# Allegro board 8880F5-0827_txbegin.brd (continued)
## Routing (per net, layer and track width the routed paths; a pad name or vN(x,y) marks a point on that pad's centre or on a via; arc(x,y) is an arc through that point) (continued)
  L03_SIGNAL w0.074: 413.21,347.98 D110.B4 ; D110.B4 414.02,348.79 ; D110.B4 414.83,347.98 ; D110.B4 414.02,347.17 ; D102.A8 325.93,76.2 ; D102.A8 324.31,76.2 ; D102.A8 325.12,75.39 ; D102.A8 325.12,77.01 ; SITE3.G18 250.23,186.91 ; SITE3.G18 250.71,186.43 ; SITE3.G18 250.23,185.95 ; SITE3.G18 249.75,186.43 ; D115.B3 342.9,371.65 ; D115.B3 343.71,370.84 ; D115.B3 342.09,370.84 ; D115.B3 342.9,370.03 ; DPS3.A11 259.89,13.97 ; DPS3.A11 258.27,13.97 ; DPS3.A11 259.08,14.78 ; DPS3.A11 259.08,13.16 ; 172.72,372.57 D231.A12 ; D231.A12 172.72,374.19 ; D231.A12 173.53,373.38 ; D231.A12 171.91,373.38 ; D129.B4 93.98,102.41 ; D129.B4 94.79,101.6 ; D129.B4 93.98,100.79 ; D129.B4 93.17,101.6 ; 255.73,332.74 CSDPS225.B8 ; CSDPS225.B8 256.54,331.93 ; CSDPS225.B8 257.35,332.74 ; CSDPS225.B8 256.54,333.55 ; 332.74,67.87 D302.B11 ; D302.B11 333.45,68.58 ; D302.B11 332.03,68.58 ; D302.B11 332.74,69.29 ; 337.82,354.79 D114.A5 ; D114.A5 337.01,355.6 ; D114.A5 338.63,355.6 ; D114.A5 337.82,356.41 ; 339.55,81.28 D102.B14 ; D102.B14 340.36,80.47 ; D102.B14 340.36,82.09 ; D102.B14 341.17,81.28 ; 344.63,55.88 D103.A16 ; D103.A16 345.44,56.69 ; D103.A16 345.44,55.07 ; D103.A16 346.25,55.88 ; 164.39,68.58 D318.B3 ; D318.B3 165.81,68.58 ; D318.B3 165.1,69.29 ; D318.B3 165.1,67.87 ; 482.49,170.56 UNK4U2.4 ; UNK4U2.4 481.55,171.51 ; UNK4U2.4 482.49,172.45 ; UNK4U2.4 483.43,171.51 ; 17.78,93.17 D125.A3 ; D125.A3 17.78,94.79 ; D125.A3 16.97,93.98 ; D125.A3 18.59,93.98 ; 252.85,181.33 SITE3.G6 ; SITE3.G6 253.33,180.85 ; SITE3.G6 253.81,181.33 ; SITE3.G6 253.33,181.81 ; SITE1.G13 249.03,243.31 ; SITE1.G13 248.55,242.83 ; SITE1.G13 249.51,242.83 ; SITE1.G13 249.03,242.35 ; 241.3,85.65 D321.A4 ; D321.A4 240.59,86.36 ; D321.A4 242.01,86.36 ; D321.A4 241.3,87.07 ; 381,83.11 D305.A1 ; D305.A1 381.71,83.82 ; D305.A1 380.29,83.82 ; D305.A1 381,84.53 ; D321.B7 248.92,89.61 ; D321.B7 249.63,88.9 ; D321.B7 248.21,88.9 ; D321.B7 248.92,88.19 ; 312.42,57.61 D103.B3 ; D103.B3 313.23,58.42 ; D103.B3 311.61,58.42 ; D103.B3 312.42,59.23 ; D107.B11 407.21,58.42 ; D107.B11 405.59,58.42 ; D107.B11 406.4,59.23 ; D107.B11 406.4,57.61 ; D107.B13 411.48,59.23 ; D107.B13 412.29,58.42 ; D107.B13 410.67,58.42 ; D107.B13 411.48,57.61 ; D302.B16 346.15,71.12 ; D302.B16 345.44,71.83 ; D302.B16 345.44,70.41 ; D302.B16 344.73,71.12 ; 171.91,35.56 D120.A6 ; D120.A6 173.53,35.56 ; D120.A6 172.72,36.37 ; D120.A6 172.72,34.75 ; 251.43,242.35 SITE1.G15 ; SITE1.G15 251.91,242.83 ; SITE1.G15 251.43,243.31 ; SITE1.G15 250.95,242.83 ; D431.A5 191.31,386.08 ; D431.A5 190.5,385.27 ; D431.A5 190.5,386.89 ; D431.A5 189.69,386.08 ; 329.85,241.33 SITE2.G3 ; SITE2.G3 330.81,241.33 ; SITE2.G3 330.33,240.85 ; SITE2.G3 330.33,241.81 ; 164.29,386.08 D431.A15 ; D431.A15 165.1,385.27 ; D431.A15 165.91,386.08 ; D431.A15 165.1,386.89 ; D106.A8 399.59,76.2 ; D106.A8 397.97,76.2 ; D106.A8 398.78,77.01 ; D106.A8 398.78,75.39 ; CSDPS225.C11 249.73,330.2 ; CSDPS225.C11 248.92,329.39 ; CSDPS225.C11 248.11,330.2 ; CSDPS225.C11 248.92,331.01 ; 29.67,55.88 D127.A8 ; D127.A8 30.48,56.69 ; D127.A8 30.48,55.07 ; D127.A8 31.29,55.88 ; SITE1.G19 251.43,246.91 ; SITE1.G19 251.43,245.95 ; SITE1.G19 250.95,246.43 ; SITE1.G19 251.91,246.43 ; 307.34,67.87 D302.B1 ; D302.B1 308.05,68.58 ; D302.B1 306.63,68.58 ; D302.B1 307.34,69.29 ; D123.A16 272.59,55.88 ; D123.A16 270.97,55.88 ; D123.A16 271.78,55.07 ; D123.A16 271.78,56.69 ; D119.A3 165.91,53.34 ; D119.A3 165.1,54.15 ; D119.A3 164.29,53.34 ; D119.A3 165.1,52.53 ; D431.B13 170.99,381 ; D431.B13 170.18,381.81 ; D431.B13 169.37,381 ; D431.B13 170.18,380.19 ; D123.B1 233.68,59.23 ; D123.B1 234.49,58.42 ; D123.B1 232.87,58.42 ; D123.B1 233.68,57.61 ; D113.B5 338.63,330.2 ; D113.B5 337.01,330.2 ; D113.B5 337.82,329.39 ; D113.B5 337.82,331.01 ; D317.B1 160.73,88.9 ; D317.B1 159.31,88.9 ; D317.B1 160.02,89.61 ; D317.B1 160.02,88.19 ; 193.04,85.65 D317.A14 ; D317.A14 193.75,86.36 ; D317.A14 193.04,87.07 ; D317.A14 192.33,86.36 ; 232.87,38.1 D124.B1 ; D124.B1 233.68,38.91 ; D124.B1 234.49,38.1 ; D124.B1 233.68,37.29 ; D317.B12 188.67,91.44 ; D317.B12 187.96,92.15 ; D317.B12 187.25,91.44 ; D317.B12 187.96,90.73 ; D110.B8 404.67,347.98 ; D110.B8 403.86,348.79 ; D110.B8 403.05,347.98 ; D110.B8 403.86,347.17 ; 401.32,354.79 D110.A9 ; D110.A9 400.51,355.6 ; D110.A9 401.32,356.41 ; D110.A9 402.13,355.6 ; 119.38,60.15 D131.B14 ; D131.B14 119.38,61.77 ; D131.B14 118.57,60.96 ; D131.B14 120.19,60.96 ; 330.23,185.95 SITE4.G18 ; SITE4.G18 330.71,186.43 ; SITE4.G18 330.23,186.91 ; SITE4.G18 329.75,186.43 ; D431.B4 193.04,379.27 ; D431.B4 193.85,378.46 ; D431.B4 193.04,377.65 ; D431.B4 192.23,378.46 ; 252.63,245.95 SITE1.G20 ; SITE1.G20 252.15,246.43 ; SITE1.G20 252.63,246.91 ; SITE1.G20 253.11,246.43 ; 167.64,34.75 D120.A4 ; D120.A4 167.64,36.37 ; D120.A4 166.83,35.56 ; D120.A4 168.45,35.56 ; UNK3U1.4 98.23,161.85 ; UNK3U1.4 97.29,162.79 ; UNK3U1.4 96.35,161.85 ; UNK3U1.4 97.29,160.91 ; 109.22,55.07 D131.A10 ; D131.A10 110.03,55.88 ; D131.A10 108.41,55.88 ; D131.A10 109.22,56.69 ; 33.02,52.53 D127.A9 ; D127.A9 33.02,54.15 ; D127.A9 32.21,53.34 ; D127.A9 33.83,53.34 ; 383.54,39.83 D108.B2 ; D108.B2 384.35,40.64 ; D108.B2 382.73,40.64 ; D108.B2 383.54,41.45 ; D431.A8 182.88,384.35 ; D431.A8 183.69,383.54 ; D431.A8 182.88,382.73 ; D431.A8 182.07,383.54 ; D122.A13 264.16,74.47 ; D122.A13 264.97,73.66 ; D122.A13 263.35,73.66 ; D122.A13 264.16,72.85 ; 30.48,100.79 D125.B8 ; D125.B8 29.67,101.6 ; D125.B8 30.48,102.41 ; D125.B8 31.29,101.6 ; 22.86,52.53 D127.A5 ; D127.A5 22.86,54.15 ; D127.A5 22.05,53.34 ; D127.A5 23.67,53.34 ; D128.B10 35.56,41.45 ; D128.B10 34.75,40.64 ; D128.B10 35.56,39.83 ; D128.B10 36.37,40.64 ; 255.73,76.2 D122.A10 ; D122.A10 256.54,77.01 ; D122.A10 257.35,76.2 ; D122.A10 256.54,75.39 ; 175.26,88.19 D317.B7 ; D317.B7 175.26,89.61 ; D317.B7 175.97,88.9 ; D317.B7 174.55,88.9 ; D127.B12 41.45,60.96 ; D127.B12 39.83,60.96 ; D127.B12 40.64,60.15 ; D127.B12 40.64,61.77 ; D114.B11 323.39,350.52 ; D114.B11 321.77,350.52 ; D114.B11 322.58,349.71 ; D114.B11 322.58,351.33 ; D114.B5 337.82,351.33 ; D114.B5 337.01,350.52 ; D114.B5 338.63,350.52 ; D114.B5 337.82,349.71 ; D302.A7 322.58,64.21 ; D302.A7 322.58,62.79 ; D302.A7 323.29,63.5 ; D302.A7 321.87,63.5 ; 311.61,370.84 D115.B15 ; D115.B15 312.42,370.03 ; D115.B15 313.23,370.84 ; D115.B15 312.42,371.65 ; 248.85,187.93 SITE3.G8 ; SITE3.G8 249.81,187.93 ; SITE3.G8 249.33,187.45 ; SITE3.G8 249.33,188.41 ; 124.46,95.71 D129.A16 ; D129.A16 124.46,97.33 ; D129.A16 123.65,96.52 ; D129.A16 125.27,96.52 ; D106.B10 403.86,82.09 ; D106.B10 403.05,81.28 ; D106.B10 403.86,80.47 ; D106.B10 404.67,81.28 ; 266.7,342.09 CSDPS425.B4 ; CSDPS425.B4 265.89,342.9 ; CSDPS425.B4 267.51,342.9 ; CSDPS425.B4 266.7,343.71 ; 100.79,38.1 D132.B7 ; D132.B7 101.6,37.29 ; D132.B7 102.41,38.1 ; D132.B7 101.6,38.91 ; 247.85,187.93 SITE3.G7 ; SITE3.G7 248.33,188.41 ; SITE3.G7 248.81,187.93 ; SITE3.G7 248.33,187.45 ; D231.A3 195.58,376.73 ; D231.A3 194.77,375.92 ; D231.A3 195.58,375.11 ; D231.A3 196.39,375.92 ; D321.B5 244.55,88.9 ; D321.B5 243.13,88.9 ; D321.B5 243.84,89.61 ; D321.B5 243.84,88.19 ; D125.B6 26.21,101.6 ; D125.B6 25.4,100.79 ; D125.B6 25.4,102.41 ; D125.B6 24.59,101.6 ; 195.58,385.27 D431.A3 ; D431.A3 194.77,386.08 ; D431.A3 195.58,386.89 ; D431.A3 196.39,386.08 ; 88.9,100.79 D129.B2 ; D129.B2 88.09,101.6 ; D129.B2 88.9,102.41 ; D129.B2 89.71,101.6 ; SITE2.G20 333.11,246.43 ; SITE2.G20 332.63,245.95 ; SITE2.G20 332.15,246.43 ; SITE2.G20 332.63,246.91 ; SITE3.G5 252.33,181.81 ; SITE3.G5 251.85,181.33 ; SITE3.G5 252.33,180.85 ; SITE3.G5 252.81,181.33 ; D118.A4 168.45,76.2 ; D118.A4 167.64,77.01 ; D118.A4 166.83,76.2 ; D118.A4 167.64,75.39 ; D118.A8 177.8,77.01 ; D118.A8 176.99,76.2 ; D118.A8 177.8,75.39 ; D118.A8 178.61,76.2 ; 386.08,395.43 D112.A15 ; D112.A15 385.27,396.24 ; D112.A15 386.08,397.05 ; D112.A15 386.89,396.24 ; D108.A1 381.81,33.02 ; D108.A1 380.19,33.02 ; D108.A1 381,33.83 ; D108.A1 381,32.21 ; CSDPS225.B12 247.19,332.74 ; CSDPS225.B12 246.38,333.55 ; CSDPS225.B12 246.38,331.93 ; CSDPS225.B12 245.57,332.74 ; 111.76,77.93 D130.B11 ; D130.B11 110.95,78.74 ; D130.B11 112.57,78.74 ; D130.B11 111.76,79.55 ; 270.97,342.9 CSDPS425.B2 ; CSDPS425.B2 271.78,343.71 ; CSDPS425.B2 272.59,342.9 ; CSDPS425.B2 271.78,342.09 ; D124.B4 241.3,41.45 ; D124.B4 240.49,40.64 ; D124.B4 242.11,40.64 ; D124.B4 241.3,39.83 ; 235.41,342.9 CSDPS425.B16 ; CSDPS425.B16 237.03,342.9 ; CSDPS425.B16 236.22,342.09 ; CSDPS425.B16 236.22,343.71 ; D124.B14 266.7,41.45 ; D124.B14 267.51,40.64 ; D124.B14 265.89,40.64 ; D124.B14 266.7,39.83 ; D301.B6 320.04,92.15 ; D301.B6 319.33,91.44 ; D301.B6 320.75,91.44 ; D301.B6 320.04,90.73 ; D107.A8 399.59,55.88 ; D107.A8 398.78,56.69 ; D107.A8 398.78,55.07 ; D107.A8 397.97,55.88 ; D118.A13 190.5,74.47 ; D118.A13 191.31,73.66 ; D118.A13 190.5,72.85 ; D118.A13 189.69,73.66 ; D130.A13 116.84,74.47 ; D130.A13 117.65,73.66 ; D130.A13 116.03,73.66 ; D130.A13 116.84,72.85 ; 109.22,39.83 D132.B10 ; D132.B10 109.22,41.45 ; D132.B10 110.03,40.64 ; D132.B10 108.41,40.64 ; 237.95,33.02 D124.A3 ; D124.A3 238.76,32.21 ; D124.A3 239.57,33.02 ; D124.A3 238.76,33.83 ; 397.97,332.74 D109.A10 ; D109.A10 399.59,332.74 ; D109.A10 398.78,331.93 ; D109.A10 398.78,333.55 ; D113.B9 327.66,331.01 ; D113.B9 328.47,330.2 ; D113.B9 327.66,329.39 ; D113.B9 326.85,330.2 ; 199.85,410.21 DPS8.C01 ; DPS8.C01 200.66,411.02 ; DPS8.C01 200.66,409.4 ; DPS8.C01 201.47,410.21 ; D322.A16 272.49,66.04 ; D322.A16 271.78,66.75 ; D322.A16 271.78,65.33 ; D322.A16 271.07,66.04 ; D231.A16 163.37,373.38 ; D231.A16 162.56,372.57 ; D231.A16 162.56,374.19 ; D231.A16 161.75,373.38 ; D322.A7 248.92,64.21 ; D322.A7 248.21,63.5 ; D322.A7 249.63,63.5 ; D322.A7 248.92,62.79 ; SITE1.G14 250.71,242.83 ; SITE1.G14 249.75,242.83 ; SITE1.G14 250.23,243.31 ; SITE1.G14 250.23,242.35 ; D130.A7 101.6,74.47 ; D130.A7 102.41,73.66 ; D130.A7 101.6,72.85 ; D130.A7 100.79,73.66 ; D431.A13 170.99,386.08 ; D431.A13 170.18,386.89 ; D431.A13 169.37,386.08 ; D431.A13 170.18,385.27 ; 50.8,60.15 D127.B16 ; D127.B16 49.99,60.96 ; D127.B16 51.61,60.96 ; D127.B16 50.8,61.77 ; CSDPS429.C15 165.1,341.17 ; CSDPS429.C15 164.29,340.36 ; CSDPS429.C15 165.1,339.55 ; CSDPS429.C15 165.91,340.36 ; 180.34,339.55 CSDPS429.C9 ; CSDPS429.C9 181.15,340.36 ; CSDPS429.C9 179.53,340.36 ; CSDPS429.C9 180.34,341.17 ; CSDPS429.C3 195.58,341.17 ; CSDPS429.C3 195.58,339.55 ; CSDPS429.C3 196.39,340.36 ; CSDPS429.C3 194.77,340.36 ; 175.26,57.61 D119.B7 ; D119.B7 176.07,58.42 ; D119.B7 175.26,59.23 ; D119.B7 174.45,58.42 ; 309.88,70.41 D302.B2 ; D302.B2 309.17,71.12 ; D302.B2 310.59,71.12 ; D302.B2 309.88,71.83 ; 314.25,71.12 D302.B4 ; D302.B4 314.96,71.83 ; D302.B4 315.67,71.12 ; D302.B4 314.96,70.41 ; D132.A14 120.19,35.56 ; D132.A14 119.38,36.37 ; D132.A14 119.38,34.75 ; D132.A14 118.57,35.56 ; 241.3,75.39 D122.A4 ; D122.A4 242.11,76.2 ; D122.A4 240.49,76.2 ; D122.A4 241.3,77.01 ; D132.A13 116.84,33.83 ; D132.A13 117.65,33.02 ; D132.A13 116.03,33.02 ; D132.A13 116.84,32.21 ; 306.53,73.66 D102.A1 ; D102.A1 308.15,73.66 ; D102.A1 307.34,72.85 ; D102.A1 307.34,74.47 ; D130.B3 91.44,79.55 ; D130.B3 92.25,78.74 ; D130.B3 90.63,78.74 ; D130.B3 91.44,77.93 ; 22.86,93.17 D125.A5 ; D125.A5 22.86,94.79 ; D125.A5 23.67,93.98 ; D125.A5 22.05,93.98 ; 172.72,65.33 D318.A6 ; D318.A6 172.72,66.75 ; D318.A6 173.43,66.04 ; D318.A6 172.01,66.04 ; D322.B3 239.47,68.58 ; D322.B3 238.76,69.29 ; D322.B3 238.76,67.87 ; D322.B3 238.05,68.58 ; 101.6,52.53 D131.A7 ; D131.A7 100.79,53.34 ; D131.A7 101.6,54.15 ; D131.A7 102.41,53.34 ; 19.51,60.96 D127.B4 ; D127.B4 20.32,60.15 ; D127.B4 21.13,60.96 ; D127.B4 20.32,61.77 ; CSDPS229.C9 180.34,331.01 ; CSDPS229.C9 179.53,330.2 ; CSDPS229.C9 180.34,329.39 ; CSDPS229.C9 181.15,330.2 ; D107.A1 381,54.15 ; D107.A1 380.19,53.34 ; D107.A1 381,52.53 ; D107.A1 381.81,53.34 ; 332.74,329.39 D113.B7 ; D113.B7 331.93,330.2 ; D113.B7 332.74,331.01 ; D113.B7 333.55,330.2 ; D122.A15 270.05,73.66 ; D122.A15 268.43,73.66 ; D122.A15 269.24,72.85 ; D122.A15 269.24,74.47 ; 329.75,182.83 SITE4.G14 ; SITE4.G14 330.23,182.35 ; SITE4.G14 330.23,183.31 ; SITE4.G14 330.71,182.83 ; DPS3.C11 259.08,19.86 ; DPS3.C11 259.89,19.05 ; DPS3.C11 258.27,19.05 ; DPS3.C11 259.08,18.24 ; D305.B13 411.48,89.61 ; D305.B13 410.77,88.9 ; D305.B13 412.19,88.9 ; D305.B13 411.48,88.19 ; D128.A5 22.86,33.83 ; D128.A5 23.67,33.02 ; D128.A5 22.05,33.02 ; D128.A5 22.86,32.21 ; D301.A1 307.34,84.53 ; D301.A1 308.05,83.82 ; D301.A1 306.63,83.82 ; D301.A1 307.34,83.11 ; 309.88,60.15 D103.B2 ; D103.B2 309.88,61.77 ; D103.B2 310.69,60.96 ; D103.B2 309.07,60.96 ; 316.79,83.82 D301.A5 ; D301.A5 317.5,83.11 ; D301.A5 317.5,84.53 ; D301.A5 318.21,83.82 ; D114.B4 341.17,347.98 ; D114.B4 340.36,347.17 ; D114.B4 340.36,348.79 ; D114.B4 339.55,347.98 ; 113.49,55.88 D131.A12 ; D131.A12 114.3,56.69 ; D131.A12 115.11,55.88 ; D131.A12 114.3,55.07 ; 179.53,73.66 D118.A9 ; D118.A9 181.15,73.66 ; D118.A9 180.34,74.47 ; D118.A9 180.34,72.85 ; 162.56,367.49 D231.B16 ; D231.B16 161.75,368.3 ; D231.B16 163.37,368.3 ; D231.B16 162.56,369.11 ; D102.A15 342.9,74.47 ; D102.A15 342.09,73.66 ; D102.A15 342.9,72.85 ; D102.A15 343.71,73.66 ; 38.1,52.53 D127.A11 ; D127.A11 37.29,53.34 ; D127.A11 38.1,54.15 ; D127.A11 38.91,53.34 ; 317.5,329.39 D113.B13 ; D113.B13 316.69,330.2 ; D113.B13 318.31,330.2 ; D113.B13 317.5,331.01 ; 172.01,91.44 D317.B6 ; D317.B6 172.72,90.73 ; D317.B6 173.43,91.44 ; D317.B6 172.72,92.15 ; 179.63,63.5 D318.A9 ; D318.A9 181.05,63.5 ; D318.A9 180.34,62.79 ; D318.A9 180.34,64.21 ; D124.B3 239.57,38.1 ; D124.B3 238.76,37.29 ; D124.B3 237.95,38.1 ; D124.B3 238.76,38.91 ; D130.B15 121.92,79.55 ; D130.B15 122.73,78.74 ; D130.B15 121.92,77.93 ; D130.B15 121.11,78.74 ; 324.31,332.74 D113.A10 ; D113.A10 325.12,331.93 ; D113.A10 325.12,333.55 ; D113.A10 325.93,332.74 ; 383.54,326.85 D109.B16 ; D109.B16 382.73,327.66 ; D109.B16 383.54,328.47 ; D109.B16 384.35,327.66 ; 406.4,18.24 DPS1.C11 ; DPS1.C11 406.4,19.86 ; DPS1.C11 405.59,19.05 ; DPS1.C11 407.21,19.05 ; D130.A16 125.27,76.2 ; D130.A16 123.65,76.2 ; D130.A16 124.46,77.01 ; D130.A16 124.46,75.39 ; 330.2,372.57 D115.A8 ; D115.A8 331.01,373.38 ; D115.A8 330.2,374.19 ; D115.A8 329.39,373.38 ; 32.21,73.66 D126.A9 ; D126.A9 33.83,73.66 ; D126.A9 33.02,74.47 ; D126.A9 33.02,72.85 ; D120.B7 175.26,38.91 ; D120.B7 175.26,37.29 ; D120.B7 174.45,38.1 ; D120.B7 176.07,38.1 ; 189.69,58.42 D119.B13 ; D119.B13 190.5,59.23 ; D119.B13 191.31,58.42 ; D119.B13 190.5,57.61 ; D125.A1 12.7,94.79 ; D125.A1 11.89,93.98 ; D125.A1 13.51,93.98 ; D125.A1 12.7,93.17 ; SITE4.G12 333.81,187.93 ; SITE4.G12 333.33,188.41 ; SITE4.G12 332.85,187.93 ; SITE4.G12 333.33,187.45 ; D112.B11 396.24,391.97 ; D112.B11 397.05,391.16 ; D112.B11 396.24,390.35 ; D112.B11 395.43,391.16 ; 182.88,80.47 D118.B10 ; D118.B10 183.69,81.28 ; D118.B10 182.07,81.28 ; D118.B10 182.88,82.09 ; CSDPS225.B14 241.3,333.55 ; CSDPS225.B14 241.3,331.93 ; CSDPS225.B14 240.49,332.74 ; CSDPS225.B14 242.11,332.74 ; D318.A1 160.02,64.21 ; D318.A1 159.31,63.5 ; D318.A1 160.73,63.5 ; D318.A1 160.02,62.79 ; D124.B6 246.38,41.45 ; D124.B6 246.38,39.83 ; D124.B6 247.19,40.64 ; D124.B6 245.57,40.64 ; D301.B15 343.61,88.9 ; D301.B15 342.9,89.61 ; D301.B15 342.9,88.19 ; D301.B15 342.19,88.9 ; 314.96,80.47 D102.B4 ; D102.B4 315.77,81.28 ; D102.B4 314.15,81.28 ; D102.B4 314.96,82.09 ; 198.12,60.15 D119.B16 ; D119.B16 198.93,60.96 ; D119.B16 197.31,60.96 ; D119.B16 198.12,61.77 ; 331.93,355.6 D114.A7 ; D114.A7 332.74,356.41 ; D114.A7 332.74,354.79 ; D114.A7 333.55,355.6 ; D131.B16 124.46,61.77 ; D131.B16 124.46,60.15 ; D131.B16 125.27,60.96 ; D131.B16 123.65,60.96 ; 159.21,370.84 D231.B17 ; D231.B17 160.83,370.84 ; D231.B17 160.02,370.03 ; D231.B17 160.02,371.65 ; D112.B9 401.32,391.97 ; D112.B9 400.51,391.16 ; D112.B9 402.13,391.16 ; D112.B9 401.32,390.35 ; 329.39,81.28 D102.B10 ; D102.B10 331.01,81.28 ; D102.B10 330.2,80.47 ; D102.B10 330.2,82.09 ; 88.09,40.64 D132.B2 ; D132.B2 88.9,41.45 ; D132.B2 89.71,40.64 ; D132.B2 88.9,39.83 ; 260.81,60.96 D123.B12 ; D123.B12 261.62,61.77 ; D123.B12 262.43,60.96 ; D123.B12 261.62,60.15 ; 325.12,80.47 D102.B8 ; D102.B8 325.12,82.09 ; D102.B8 325.93,81.28 ; D102.B8 324.31,81.28 ; CSDPS429.B6 188.77,342.9 ; CSDPS429.B6 187.15,342.9 ; CSDPS429.B6 187.96,342.09 ; CSDPS429.B6 187.96,343.71 ; 401.32,375.11 D111.A9 ; D111.A9 402.13,375.92 ; D111.A9 400.51,375.92 ; D111.A9 401.32,376.73 ; 321.77,355.6 D114.A11 ; D114.A11 323.39,355.6 ; D114.A11 322.58,356.41 ; D114.A11 322.58,354.79 ; 24.59,96.52 D125.A6 ; D125.A6 25.4,95.71 ; D125.A6 26.21,96.52 ; D125.A6 25.4,97.33 ; D322.B10 257.25,71.12 ; D322.B10 255.83,71.12 ; D322.B10 256.54,70.41 ; D322.B10 256.54,71.83 ; 331.93,38.1 D104.B11 ; D104.B11 332.74,38.91 ; D104.B11 332.74,37.29 ; D104.B11 333.55,38.1 ; D302.A9 328.37,63.5 ; D302.A9 326.95,63.5 ; D302.A9 327.66,62.79 ; D302.A9 327.66,64.21 ; 307.34,88.19 D301.B1 ; D301.B1 308.05,88.9 ; D301.B1 307.34,89.61 ; D301.B1 306.63,88.9 ; 174.45,340.36 CSDPS429.C11 ; CSDPS429.C11 175.26,339.55 ; CSDPS429.C11 175.26,341.17 ; CSDPS429.C11 176.07,340.36 ; DPS1.A01 381.81,13.97 ; DPS1.A01 380.19,13.97 ; DPS1.A01 381,13.16 ; DPS1.A01 381,14.78 ; D322.B14 267.41,71.12 ; D322.B14 266.7,70.41 ; D322.B14 266.7,71.83 ; D322.B14 265.99,71.12 ; D126.A3 17.78,74.47 ; D126.A3 18.59,73.66 ; D126.A3 16.97,73.66 ; D126.A3 17.78,72.85 ; D107.A16 419.1,56.69 ; D107.A16 419.1,55.07 ; D107.A16 419.91,55.88 ; D107.A16 418.29,55.88 ; D301.A13 338.53,83.82 ; D301.A13 337.82,84.53 ; D301.A13 337.82,83.11 ; D301.A13 337.11,83.82 ; D317.B10 182.88,92.15 ; D317.B10 182.88,90.73 ; D317.B10 183.59,91.44 ; D317.B10 182.17,91.44 ; 334.47,60.96 D103.B12 ; D103.B12 336.09,60.96 ; D103.B12 335.28,61.77 ; D103.B12 335.28,60.15 ; D123.B13 264.97,58.42 ; D123.B13 264.16,59.23 ; D123.B13 263.35,58.42 ; D123.B13 264.16,57.61 ; D123.B6 247.19,60.96 ; D123.B6 246.38,60.15 ; D123.B6 246.38,61.77 ; D123.B6 245.57,60.96 ; D110.B13 391.16,351.33 ; D110.B13 391.97,350.52 ; D110.B13 391.16,349.71 ; D110.B13 390.35,350.52 ; 190.5,375.11 D231.A5 ; D231.A5 190.5,376.73 ; D231.A5 191.31,375.92 ; D231.A5 189.69,375.92 ; 329.33,187.45 SITE4.G8 ; SITE4.G8 329.33,188.41 ; SITE4.G8 329.81,187.93 ; SITE4.G8 328.85,187.93 ; 408.13,368.3 D111.B6 ; D111.B6 409.75,368.3 ; D111.B6 408.94,369.11 ; D111.B6 408.94,367.49 ; 251.46,342.09 CSDPS425.B10 ; CSDPS425.B10 250.65,342.9 ; CSDPS425.B10 252.27,342.9 ; CSDPS425.B10 251.46,343.71 ; D125.B7 27.94,99.87 ; D125.B7 27.13,99.06 ; D125.B7 28.75,99.06 ; D125.B7 27.94,98.25 ; 254,67.87 D322.B9 ; D322.B9 254,69.29 ; D322.B9 254.71,68.58 ; D322.B9 253.29,68.58 ; D113.B12 320.04,328.47 ; D113.B12 320.85,327.66 ; D113.B12 320.04,326.85 ; D113.B12 319.23,327.66 ; D122.B15 270.05,78.74 ; D122.B15 268.43,78.74 ; D122.B15 269.24,79.55 ; D122.B15 269.24,77.93 ; 314.96,34.75 D104.A4 ; D104.A4 315.77,35.56 ; D104.A4 314.96,36.37 ; D104.A4 314.15,35.56 ; D108.A3 386.08,33.83 ; D108.A3 386.08,32.21 ; D108.A3 385.27,33.02 ; D108.A3 386.89,33.02 ; 85.55,53.34 D131.A1 ; D131.A1 87.17,53.34 ; D131.A1 86.36,54.15 ; D131.A1 86.36,52.53 ; D104.A14 340.36,36.37 ; D104.A14 339.55,35.56 ; D104.A14 341.17,35.56 ; D104.A14 340.36,34.75 ; 179.53,370.84 D231.B9 ; D231.B9 180.34,371.65 ; D231.B9 180.34,370.03 ; D231.B9 181.15,370.84 ; 253.19,78.74 D122.B9 ; D122.B9 254.81,78.74 ; D122.B9 254,79.55 ; D122.B9 254,77.93 ; CSDPS229.B8 182.88,333.55 ; CSDPS229.B8 182.07,332.74 ; CSDPS229.B8 183.69,332.74 ; CSDPS229.B8 182.88,331.93 ; 11.89,99.06 D125.B1 ; D125.B1 12.7,99.87 ; D125.B1 12.7,98.25 ; D125.B1 13.51,99.06 ; 19.51,81.28 D126.B4 ; D126.B4 21.13,81.28 ; D126.B4 20.32,80.47 ; D126.B4 20.32,82.09 ; D120.A15 195.58,33.83 ; D120.A15 196.39,33.02 ; D120.A15 195.58,32.21 ; D120.A15 194.77,33.02 ; D305.B1 381.71,88.9 ; D305.B1 381,89.61 ; D305.B1 381,88.19 ; D305.B1 380.29,88.9 ; D118.B9 181.15,78.74 ; D118.B9 180.34,79.55 ; D118.B9 179.53,78.74 ; D118.B9 180.34,77.93 ; D114.A2 346.25,353.06 ; D114.A2 345.44,353.87 ; D114.A2 345.44,352.25 ; D114.A2 344.63,353.06 ; D431.B11 175.26,381.81 ; D431.B11 176.07,381 ; D431.B11 174.45,381 ; D431.B11 175.26,380.19 ; D123.A7 249.73,53.34 ; D123.A7 248.11,53.34 ; D123.A7 248.92,52.53 ; D123.A7 248.92,54.15 ; 167.64,372.57 D231.A14 ; D231.A14 167.64,374.19 ; D231.A14 168.45,373.38 ; D231.A14 166.83,373.38 ; D302.B8 325.12,71.83 ; D302.B8 325.83,71.12 ; D302.B8 324.41,71.12 ; D302.B8 325.12,70.41 ; D129.A1 87.17,93.98 ; D129.A1 85.55,93.98 ; D129.A1 86.36,93.17 ; D129.A1 86.36,94.79 ; D103.B15 342.9,59.23 ; D103.B15 342.09,58.42 ; D103.B15 342.9,57.61 ; D103.B15 343.71,58.42 ; D113.A15 312.42,336.09 ; D113.A15 312.42,334.47 ; D113.A15 313.23,335.28 ; D113.A15 311.61,335.28 ; D321.B16 271.78,92.15 ; D321.B16 271.78,90.73 ; D321.B16 271.07,91.44 ; D321.B16 272.49,91.44 ; D129.B10 110.03,101.6 ; D129.B10 108.41,101.6 ; D129.B10 109.22,100.79 ; D129.B10 109.22,102.41 ; 385.27,375.92 D111.A15 ; D111.A15 386.08,376.73 ; D111.A15 386.08,375.11 ; D111.A15 386.89,375.92 ; D126.B16 51.61,81.28 ; D126.B16 50.8,82.09 ; D126.B16 50.8,80.47 ; D126.B16 49.99,81.28 ; D128.B11 38.1,38.91 ; D128.B11 38.91,38.1 ; D128.B11 38.1,37.29 ; D128.B11 37.29,38.1 ; D104.A1 307.34,33.83 ; D104.A1 306.53,33.02 ; D104.A1 308.15,33.02 ; D104.A1 307.34,32.21 ; 246.38,80.47 D122.B6 ; D122.B6 246.38,82.09 ; D122.B6 245.57,81.28 ; D122.B6 247.19,81.28 ; 337.11,63.5 D302.A13 ; D302.A13 337.82,64.21 ; D302.A13 338.53,63.5 ; D302.A13 337.82,62.79 ; 403.86,55.07 D107.A10 ; D107.A10 403.86,56.69 ; D107.A10 404.67,55.88 ; D107.A10 403.05,55.88 ; 391.16,62.79 D306.A5 ; D306.A5 391.87,63.5 ; D306.A5 390.45,63.5 ; D306.A5 391.16,64.21 ; D123.B2 237.03,60.96 ; D123.B2 235.41,60.96 ; D123.B2 236.22,61.77 ; D123.B2 236.22,60.15 ; D130.A6 99.06,77.01 ; D130.A6 99.87,76.2 ; D130.A6 98.25,76.2 ; D130.A6 99.06,75.39 ; 329.33,240.85 SITE2.G2 ; SITE2.G2 329.81,241.33 ; SITE2.G2 328.85,241.33 ; SITE2.G2 329.33,241.81 ; 232.87,33.02 D124.A1 ; D124.A1 233.68,32.21 ; D124.A1 233.68,33.83 ; D124.A1 234.49,33.02 ; 266.7,65.33 D322.A14 ; D322.A14 266.7,66.75 ; D322.A14 265.99,66.04 ; D322.A14 267.41,66.04 ; D132.B8 104.95,40.64 ; D132.B8 104.14,39.83 ; D132.B8 103.33,40.64 ; D132.B8 104.14,41.45 ; SITE3.G9 250.33,188.41 ; SITE3.G9 249.85,187.93 ; SITE3.G9 250.81,187.93 ; SITE3.G9 250.33,187.45 ; D318.A13 190.5,64.21 ; D318.A13 191.21,63.5 ; D318.A13 190.5,62.79 ; D318.A13 189.79,63.5 ; 413.21,368.3 D111.B4 ; D111.B4 414.83,368.3 ; D111.B4 414.02,367.49 ; D111.B4 414.02,369.11 ; 268.53,63.5 D322.A15 ; D322.A15 269.24,64.21 ; D322.A15 269.24,62.79 ; D322.A15 269.95,63.5 ; D102.A14 341.17,76.2 ; D102.A14 339.55,76.2 ; D102.A14 340.36,75.39 ; D102.A14 340.36,77.01 ; 401.32,52.53 D107.A9 ; D107.A9 401.32,54.15 ; D107.A9 402.13,53.34 ; D107.A9 400.51,53.34 ; 161.75,378.46 D431.B16 ; D431.B16 163.37,378.46 ; D431.B16 162.56,379.27 ; D431.B16 162.56,377.65 ; DPS3.C15 269.24,19.86 ; DPS3.C15 270.05,19.05 ; DPS3.C15 269.24,18.24 ; DPS3.C15 268.43,19.05 ; D305.A5 391.16,84.53 ; D305.A5 391.87,83.82 ; D305.A5 390.45,83.82 ; D305.A5 391.16,83.11 ; 182.07,342.9 CSDPS429.B8 ; CSDPS429.B8 182.88,342.09 ; CSDPS429.B8 183.69,342.9 ; CSDPS429.B8 182.88,343.71 ; 195.58,329.39 CSDPS229.C3 ; CSDPS229.C3 194.77,330.2 ; CSDPS229.C3 196.39,330.2 ; CSDPS229.C3 195.58,331.01 ; 419.1,75.39 D106.A16 ; D106.A16 418.29,76.2 ; D106.A16 419.91,76.2 ; D106.A16 419.1,77.01 ; 387.91,71.12 D306.B4 ; D306.B4 388.62,70.41 ; D306.B4 389.33,71.12 ; D306.B4 388.62,71.83 ; SITE2.G14 330.23,243.31 ; SITE2.G14 330.23,242.35 ; SITE2.G14 329.75,242.83 ; SITE2.G14 330.71,242.83 ; 324.31,347.98 D114.B10 ; D114.B10 325.12,347.17 ; D114.B10 325.12,348.79 ; D114.B10 325.93,347.98 ; 342.09,33.02 D104.A15 ; D104.A15 343.71,33.02 ; D104.A15 342.9,32.21 ; D104.A15 342.9,33.83 ; 408.23,91.44 D305.B12 ; D305.B12 408.94,92.15 ; D305.B12 409.65,91.44 ; D305.B12 408.94,90.73 ; D106.B12 409.75,81.28 ; D106.B12 408.94,82.09 ; D106.B12 408.13,81.28 ; D106.B12 408.94,80.47 ; D306.B7 396.95,68.58 ; D306.B7 396.24,69.29 ; D306.B7 395.53,68.58 ; D306.B7 396.24,67.87 ; D112.A6 409.75,393.7 ; D112.A6 408.13,393.7 ; D112.A6 408.94,392.89 ; D112.A6 408.94,394.51 ; D110.B10 398.78,348.79 ; D110.B10 397.97,347.98 ; D110.B10 399.59,347.98 ; D110.B10 398.78,347.17 ; DPS3.A15 270.05,13.97 ; DPS3.A15 269.24,13.16 ; DPS3.A15 269.24,14.78 ; DPS3.A15 268.43,13.97 ; D110.B16 383.54,348.79 ; D110.B16 383.54,347.17 ; D110.B16 382.73,347.98 ; D110.B16 384.35,347.98 ; 27.94,32.21 D128.A7 ; D128.A7 27.94,33.83 ; D128.A7 28.75,33.02 ; D128.A7 27.13,33.02 ; D130.B13 117.65,78.74 ; D130.B13 116.03,78.74 ; D130.B13 116.84,79.55 ; D130.B13 116.84,77.93 ; D301.A3 313.13,83.82 ; D301.A3 312.42,84.53 ; D301.A3 311.71,83.82 ; D301.A3 312.42,83.11 ; 329.49,86.36 D301.A10 ; D301.A10 330.2,85.65 ; D301.A10 330.2,87.07 ; D301.A10 330.91,86.36 ; D321.A3 238.76,84.53 ; D321.A3 239.47,83.82 ; D321.A3 238.05,83.82 ; D321.A3 238.76,83.11 ; 264.16,339.55 CSDPS425.C5 ; CSDPS425.C5 264.97,340.36 ; CSDPS425.C5 263.35,340.36 ; CSDPS425.C5 264.16,341.17 ; D123.B5 244.65,58.42 ; D123.B5 243.84,59.23 ; D123.B5 243.03,58.42 ; D123.B5 243.84,57.61 ; 37.29,99.06 D125.B11 ; D125.B11 38.91,99.06 ; D125.B11 38.1,99.87 ; D125.B11 38.1,98.25 ; 328.33,247.45 SITE2.G7 ; SITE2.G7 327.85,247.93 ; SITE2.G7 328.33,248.41 ; SITE2.G7 328.81,247.93 ; SITE1.G5 252.81,241.33 ; SITE1.G5 252.33,241.81 ; SITE1.G5 252.33,240.85 ; SITE1.G5 251.85,241.33 ; D131.B5 97.33,58.42 ; D131.B5 96.52,59.23 ; D131.B5 96.52,57.61 ; D131.B5 95.71,58.42 ; 342.9,354.79 D114.A3 ; D114.A3 342.09,355.6 ; D114.A3 342.9,356.41 ; D114.A3 343.71,355.6 ; D122.A6 247.19,76.2 ; D122.A6 246.38,75.39 ; D122.A6 246.38,77.01 ; D122.A6 245.57,76.2 ; D108.A2 384.35,35.56 ; D108.A2 383.54,34.75 ; D108.A2 383.54,36.37 ; D108.A2 382.73,35.56 ; SITE2.G13 329.03,243.31 ; SITE2.G13 329.51,242.83 ; SITE2.G13 328.55,242.83 ; SITE2.G13 329.03,242.35 ; 314.96,331.93 D113.A14 ; D113.A14 315.77,332.74 ; D113.A14 314.96,333.55 ; D113.A14 314.15,332.74 ; 250.65,55.88 D123.A8 ; D123.A8 251.46,56.69 ; D123.A8 251.46,55.07 ; D123.A8 252.27,55.88 ; 106.68,72.85 D130.A9 ; D130.A9 105.87,73.66 ; D130.A9 107.49,73.66 ; D130.A9 106.68,74.47 ; 324.31,368.3 D115.B10 ; D115.B10 325.93,368.3 ; D115.B10 325.12,369.11 ; D115.B10 325.12,367.49 ; 39.83,96.52 D125.A12 ; D125.A12 41.45,96.52 ; D125.A12 40.64,97.33 ; D125.A12 40.64,95.71 ; 249.03,185.95 SITE3.G17 ; SITE3.G17 249.03,186.91 ; SITE3.G17 248.55,186.43 ; SITE3.G17 249.51,186.43 ; D119.B9 180.34,59.23 ; D119.B9 180.34,57.61 ; D119.B9 179.53,58.42 ; D119.B9 181.15,58.42 ; 44.91,81.28 D126.B14 ; D126.B14 45.72,82.09 ; D126.B14 45.72,80.47 ; D126.B14 46.53,81.28 ; 160.02,77.93 D118.B1 ; D118.B1 159.21,78.74 ; D118.B1 160.02,79.55 ; D118.B1 160.83,78.74 ; D318.B13 191.21,68.58 ; D318.B13 189.79,68.58 ; D318.B13 190.5,69.29 ; D318.B13 190.5,67.87 ; D113.B16 310.69,327.66 ; D113.B16 309.07,327.66 ; D113.B16 309.88,328.47 ; D113.B16 309.88,326.85 ; 200.66,385.27 D431.A1 ; D431.A1 201.47,386.08 ; D431.A1 200.66,386.89 ; D431.A1 199.85,386.08 ; SITE4.G20 333.11,186.43 ; SITE4.G20 332.15,186.43 ; SITE4.G20 332.63,186.91 ; SITE4.G20 332.63,185.95 ; 416.56,334.47 D109.A3 ; D109.A3 415.75,335.28 ; D109.A3 417.37,335.28 ; D109.A3 416.56,336.09 ; 34.75,81.28 D126.B10 ; D126.B10 35.56,82.09 ; D126.B10 35.56,80.47 ; D126.B10 36.37,81.28 ; 316.69,375.92 D115.A13 ; D115.A13 317.5,376.73 ; D115.A13 318.31,375.92 ; D115.A13 317.5,375.11 ; D131.A8 104.95,55.88 ; D131.A8 104.14,55.07 ; D131.A8 103.33,55.88 ; D131.A8 104.14,56.69 ; 11.89,53.34 D127.A1 ; D127.A1 13.51,53.34 ; D127.A1 12.7,54.15 ; D127.A1 12.7,52.53 ; 390.35,19.05 DPS1.C05 ; DPS1.C05 391.16,18.24 ; DPS1.C05 391.97,19.05 ; DPS1.C05 391.16,19.86 ; 406.4,13.16 DPS1.A11 ; DPS1.A11 405.59,13.97 ; DPS1.A11 406.4,14.78 ; DPS1.A11 407.21,13.97 ; 322.58,375.11 D115.A11 ; D115.A11 323.39,375.92 ; D115.A11 322.58,376.73 ; D115.A11 321.77,375.92 ; 314.96,39.83 D104.B4 ; D104.B4 314.96,41.45 ; D104.B4 315.77,40.64 ; D104.B4 314.15,40.64 ; 382.83,66.04 D306.A2 ; D306.A2 383.54,65.33 ; D306.A2 383.54,66.75 ; D306.A2 384.25,66.04 ; 390.35,370.84 D111.B13 ; D111.B13 391.16,371.65 ; D111.B13 391.16,370.03 ; D111.B13 391.97,370.84 ; D128.A1 13.51,33.02 ; D128.A1 12.7,33.83 ; D128.A1 12.7,32.21 ; D128.A1 11.89,33.02 ; D318.B16 198.12,71.83 ; D318.B16 197.41,71.12 ; D318.B16 198.12,70.41 ; D318.B16 198.83,71.12 ; D106.A1 381.81,73.66 ; D106.A1 381,74.47 ; D106.A1 380.19,73.66 ; D106.A1 381,72.85 ; 314.96,55.07 D103.A4 ; D103.A4 314.15,55.88 ; D103.A4 314.96,56.69 ; D103.A4 315.77,55.88 ; 416.56,67.87 D306.B15 ; D306.B15 416.56,69.29 ; D306.B15 417.27,68.58 ; D306.B15 415.85,68.58 ; D113.A7 333.55,335.28 ; D113.A7 331.93,335.28 ; D113.A7 332.74,334.47 ; D113.A7 332.74,336.09 ; D119.A16 198.93,55.88 ; D119.A16 197.31,55.88 ; D119.A16 198.12,55.07 ; D119.A16 198.12,56.69 ; 98.25,60.96 D131.B6 ; D131.B6 99.06,61.77 ; D131.B6 99.06,60.15 ; D131.B6 99.87,60.96 ; D115.A16 309.88,374.19 ; D115.A16 309.88,372.57 ; D115.A16 309.07,373.38 ; D115.A16 310.69,373.38 ; D130.A2 89.71,76.2 ; D130.A2 88.9,77.01 ; D130.A2 88.9,75.39 ; D130.A2 88.09,76.2 ; D115.B1 348.79,370.84 ; D115.B1 347.98,370.03 ; D115.B1 347.17,370.84 ; D115.B1 347.98,371.65 ; 96.46,175.46 UNK3U2.4 ; UNK3U2.4 97.4,176.4 ; UNK3U2.4 98.34,175.46 ; UNK3U2.4 97.4,174.52 ; D129.B8 104.95,101.6 ; D129.B8 104.14,100.79 ; D129.B8 104.14,102.41 ; D129.B8 103.33,101.6 ; D111.A14 389.43,373.38 ; D111.A14 387.81,373.38 ; D111.A14 388.62,372.57 ; D111.A14 388.62,374.19 ; 406.4,83.11 D305.A11 ; D305.A11 407.11,83.82 ; D305.A11 405.69,83.82 ; D305.A11 406.4,84.53 ; CSDPS229.B2 198.93,332.74 ; CSDPS229.B2 198.12,331.93 ; CSDPS229.B2 198.12,333.55 ; CSDPS229.B2 197.31,332.74 ; D317.B2 163.27,91.44 ; D317.B2 162.56,92.15 ; D317.B2 161.85,91.44 ; D317.B2 162.56,90.73 ; D108.B10 403.86,41.45 ; D108.B10 403.05,40.64 ; D108.B10 404.67,40.64 ; D108.B10 403.86,39.83 ; D231.A17 160.02,376.73 ; D231.A17 160.83,375.92 ; D231.A17 159.21,375.92 ; D231.A17 160.02,375.11 ; D109.B15 386.08,331.01 ; D109.B15 385.27,330.2 ; D109.B15 386.89,330.2 ; D109.B15 386.08,329.39 ; 314.96,392.89 D116.A14 ; D116.A14 314.15,393.7 ; D116.A14 314.96,394.51 ; D116.A14 315.77,393.7 ; D302.B14 340.36,71.83 ; D302.B14 339.65,71.12 ; D302.B14 341.07,71.12 ; D302.B14 340.36,70.41 ; 197.41,66.04 D318.A16 ; D318.A16 198.83,66.04 ; D318.A16 198.12,65.33 ; D318.A16 198.12,66.75 ; D115.B12 320.85,368.3 ; D115.B12 320.04,367.49 ; D115.B12 319.23,368.3 ; D115.B12 320.04,369.11 ; 311.61,53.34 D103.A3 ; D103.A3 313.23,53.34 ; D103.A3 312.42,54.15 ; D103.A3 312.42,52.53 ; D129.A4 94.79,96.52 ; D129.A4 93.98,95.71 ; D129.A4 93.98,97.33 ; D129.A4 93.17,96.52 ; 396.24,72.85 D106.A7 ; D106.A7 396.24,74.47 ; D106.A7 395.43,73.66 ; D106.A7 397.05,73.66 ; 383.54,70.41 D306.B2 ; D306.B2 383.54,71.83 ; D306.B2 382.83,71.12 ; D306.B2 384.25,71.12 ; SITE2.G19 331.43,246.91 ; SITE2.G19 331.91,246.43 ; SITE2.G19 330.95,246.43 ; SITE2.G19 331.43,245.95 ; 161.75,81.28 D118.B2 ; D118.B2 162.56,80.47 ; D118.B2 163.37,81.28 ; D118.B2 162.56,82.09 ; 401.32,88.19 D305.B9 ; D305.B9 401.32,89.61 ; D305.B9 402.03,88.9 ; D305.B9 400.61,88.9 ; 260.81,40.64 D124.B12 ; D124.B12 262.43,40.64 ; D124.B12 261.62,41.45 ; D124.B12 261.62,39.83 ; D322.B4 242.01,71.12 ; D322.B4 240.59,71.12 ; D322.B4 241.3,70.41 ; D322.B4 241.3,71.83 ; D112.B8 404.67,388.62 ; D112.B8 403.86,387.81 ; D112.B8 403.05,388.62 ; D112.B8 403.86,389.43 ; D115.B5 338.63,370.84 ; D115.B5 337.01,370.84 ; D115.B5 337.82,370.03 ; D115.B5 337.82,371.65 ; D124.B16 271.78,41.45 ; D124.B16 272.59,40.64 ; D124.B16 270.97,40.64 ; D124.B16 271.78,39.83 ; D318.B1 160.02,69.29 ; D318.B1 160.73,68.58 ; D318.B1 159.31,68.58 ; D318.B1 160.02,67.87 ; CSDPS225.C1 275.13,330.2 ; CSDPS225.C1 274.32,329.39 ; CSDPS225.C1 273.51,330.2 ; CSDPS225.C1 274.32,331.01 ; D126.A8 30.48,77.01 ; D126.A8 29.67,76.2 ; D126.A8 30.48,75.39 ; D126.A8 31.29,76.2 ; 110.95,33.02 D132.A11 ; D132.A11 112.57,33.02 ; D132.A11 111.76,33.83 ; D132.A11 111.76,32.21 ; D129.A11 111.76,94.79 ; D129.A11 111.76,93.17 ; D129.A11 112.57,93.98 ; D129.A11 110.95,93.98 ; DPS3.A01 233.68,14.78 ; DPS3.A01 232.87,13.97 ; DPS3.A01 234.49,13.97 ; DPS3.A01 233.68,13.16 ; 123.65,35.56 D132.A16 ; D132.A16 124.46,36.37 ; D132.A16 125.27,35.56 ; D132.A16 124.46,34.75 ; 327.66,390.35 D116.B9 ; D116.B9 328.47,391.16 ; D116.B9 327.66,391.97 ; D116.B9 326.85,391.16 ; D106.A5 391.97,73.66 ; D106.A5 391.16,74.47 ; D106.A5 391.16,72.85 ; D106.A5 390.35,73.66 ; D110.A10 398.78,353.87 ; D110.A10 397.97,353.06 ; D110.A10 398.78,352.25 ; D110.A10 399.59,353.06 ; 388.62,55.07 D107.A4 ; D107.A4 387.81,55.88 ; D107.A4 389.43,55.88 ; D107.A4 388.62,56.69 ; 159.21,381 D431.B17 ; D431.B17 160.83,381 ; D431.B17 160.02,381.81 ; D431.B17 160.02,380.19 ; 345.44,372.57 D115.A2 ; D115.A2 346.25,373.38 ; D115.A2 345.44,374.19 ; D115.A2 344.63,373.38 ; D131.B4 94.79,60.96 ; D131.B4 93.98,61.77 ; D131.B4 93.17,60.96 ; D131.B4 93.98,60.15 ; D322.B13 264.87,68.58 ; D322.B13 263.45,68.58 ; D322.B13 264.16,69.29 ; D322.B13 264.16,67.87 ; 20.32,95.71 D125.A4 ; D125.A4 19.51,96.52 ; D125.A4 20.32,97.33 ; D125.A4 21.13,96.52 ; D124.B8 251.46,41.45 ; D124.B8 252.27,40.64 ; D124.B8 250.65,40.64 ; D124.B8 251.46,39.83 ; 317.5,57.61 D103.B5 ; D103.B5 318.31,58.42 ; D103.B5 316.69,58.42 ; D103.B5 317.5,59.23 ; 184.61,330.2 CSDPS229.C7 ; CSDPS229.C7 185.42,331.01 ; CSDPS229.C7 186.23,330.2 ; CSDPS229.C7 185.42,329.39 ; D112.B4 414.02,389.43 ; D112.B4 414.83,388.62 ; D112.B4 414.02,387.81 ; D112.B4 413.21,388.62 ; D113.A2 346.25,332.74 ; D113.A2 345.44,331.93 ; D113.A2 344.63,332.74 ; D113.A2 345.44,333.55 ; 187.15,35.56 D120.A12 ; D120.A12 188.77,35.56 ; D120.A12 187.96,34.75 ; D120.A12 187.96,36.37 ; SITE3.G19 251.43,186.91 ; SITE3.G19 251.91,186.43 ; SITE3.G19 251.43,185.95 ; SITE3.G19 250.95,186.43 ; D322.A12 261.62,66.75 ; D322.A12 260.91,66.04 ; D322.A12 262.33,66.04 ; D322.A12 261.62,65.33 ; D431.B5 190.5,381.81 ; D431.B5 191.31,381 ; D431.B5 189.69,381 ; D431.B5 190.5,380.19 ; D103.B16 345.44,61.77 ; D103.B16 344.63,60.96 ; D103.B16 346.25,60.96 ; D103.B16 345.44,60.15 ; 342.09,335.28 D113.A3 ; D113.A3 342.9,334.47 ; D113.A3 343.71,335.28 ; D113.A3 342.9,336.09 ; 335.28,85.65 D301.A12 ; D301.A12 334.57,86.36 ; D301.A12 335.99,86.36 ; D301.A12 335.28,87.07 ; D130.B12 114.3,82.09 ; D130.B12 113.49,81.28 ; D130.B12 114.3,80.47 ; D130.B12 115.11,81.28 ; 42.37,53.34 D127.A13 ; D127.A13 43.99,53.34 ; D127.A13 43.18,54.15 ; D127.A13 43.18,52.53 ; D120.A11 186.23,33.02 ; D120.A11 185.42,33.83 ; D120.A11 185.42,32.21 ; D120.A11 184.61,33.02 ; 101.6,77.93 D130.B7 ; D130.B7 102.41,78.74 ; D130.B7 101.6,79.55 ; D130.B7 100.79,78.74 ; D321.B10 256.54,92.15 ; D321.B10 256.54,90.73 ; D321.B10 257.25,91.44 ; D321.B10 255.83,91.44 ; D123.A9 254,54.15 ; D123.A9 254.81,53.34 ; D123.A9 254,52.53 ; D123.A9 253.19,53.34 ; DPS3.A05 243.84,14.78 ; DPS3.A05 243.03,13.97 ; DPS3.A05 243.84,13.16 ; DPS3.A05 244.65,13.97 ; 166.93,66.04 D318.A4 ; D318.A4 167.64,65.33 ; D318.A4 167.64,66.75 ; D318.A4 168.35,66.04 ; 164.39,88.9 D317.B3 ; D317.B3 165.1,88.19 ; D317.B3 165.81,88.9 ; D317.B3 165.1,89.61 ; D124.B9 254,38.91 ; D124.B9 254.81,38.1 ; D124.B9 253.19,38.1 ; D124.B9 254,37.29 ; D102.B1 308.15,78.74 ; D102.B1 306.53,78.74 ; D102.B1 307.34,77.93 ; D102.B1 307.34,79.55 ; 329.49,66.04 D302.A10 ; D302.A10 330.2,66.75 ; D302.A10 330.91,66.04 ; D302.A10 330.2,65.33 ; 48.26,52.53 D127.A15 ; D127.A15 48.26,54.15 ; D127.A15 49.07,53.34 ; D127.A15 47.45,53.34 ; D115.A15 313.23,375.92 ; D115.A15 311.61,375.92 ; D115.A15 312.42,376.73 ; D115.A15 312.42,375.11 ; D112.A12 394.51,393.7 ; D112.A12 393.7,392.89 ; D112.A12 393.7,394.51 ; D112.A12 392.89,393.7 ; D111.B5 411.48,371.65 ; D111.B5 411.48,370.03 ; D111.B5 410.67,370.84 ; D111.B5 412.29,370.84 ; D231.B4 193.85,368.3 ; D231.B4 193.04,367.49 ; D231.B4 193.04,369.11 ; D231.B4 192.23,368.3 ; 268.53,83.82 D321.A15 ; D321.A15 269.24,84.53 ; D321.A15 269.24,83.11 ; D321.A15 269.95,83.82 ; CSDPS225.B10 252.27,332.74 ; CSDPS225.B10 250.65,332.74 ; CSDPS225.B10 251.46,333.55 ; CSDPS225.B10 251.46,331.93 ; D306.A8 398.78,66.75 ; D306.A8 398.78,65.33 ; D306.A8 399.49,66.04 ; D306.A8 398.07,66.04 ; D305.A10 404.57,86.36 ; D305.A10 403.86,85.65 ; D305.A10 403.86,87.07 ; D305.A10 403.15,86.36 ; 393.7,372.57 D111.A12 ; D111.A12 394.51,373.38 ; D111.A12 392.89,373.38 ; D111.A12 393.7,374.19 ; 106.68,77.93 D130.B9 ; D130.B9 107.49,78.74 ; D130.B9 105.87,78.74 ; D130.B9 106.68,79.55 ; 418.29,353.06 D110.A2 ; D110.A2 419.1,353.87 ; D110.A2 419.91,353.06 ; D110.A2 419.1,352.25 ; 177.09,71.12 D318.B8 ; D318.B8 177.8,71.83 ; D318.B8 178.51,71.12 ; D318.B8 177.8,70.41 ; 50.8,55.07 D127.A16 ; D127.A16 50.8,56.69 ; D127.A16 51.61,55.88 ; D127.A16 49.99,55.88 ; D128.B14 46.53,40.64 ; D128.B14 45.72,39.83 ; D128.B14 44.91,40.64 ; D128.B14 45.72,41.45 ; 255.73,55.88 D123.A10 ; D123.A10 257.35,55.88 ; D123.A10 256.54,56.69 ; D123.A10 256.54,55.07 ; 111.76,57.61 D131.B11 ; D131.B11 112.57,58.42 ; D131.B11 110.95,58.42 ; D131.B11 111.76,59.23 ; D128.B15 48.26,38.91 ; D128.B15 49.07,38.1 ; D128.B15 47.45,38.1 ; D128.B15 48.26,37.29 ; D132.A7 101.6,33.83 ; D132.A7 100.79,33.02 ; D132.A7 102.41,33.02 ; D132.A7 101.6,32.21 ; 403.86,75.39 D106.A10 ; D106.A10 403.05,76.2 ; D106.A10 404.67,76.2 ; D106.A10 403.86,77.01 ; 251.85,247.93 SITE1.G11 ; SITE1.G11 252.81,247.93 ; SITE1.G11 252.33,248.41 ; SITE1.G11 252.33,247.45 ; 14.43,35.56 D128.A2 ; D128.A2 15.24,36.37 ; D128.A2 16.05,35.56 ; D128.A2 15.24,34.75 ; D114.B3 342.9,351.33 ; D114.B3 342.09,350.52 ; D114.B3 343.71,350.52 ; D114.B3 342.9,349.71 ; D321.B15 269.24,89.61 ; D321.B15 268.53,88.9 ; D321.B15 269.24,88.19 ; D321.B15 269.95,88.9 ; D119.A11 185.42,54.15 ; D119.A11 185.42,52.53 ; D119.A11 186.23,53.34 ; D119.A11 184.61,53.34 ; D122.B11 259.89,78.74 ; D122.B11 258.27,78.74 ; D122.B11 259.08,77.93 ; D122.B11 259.08,79.55 ; D125.B2 16.05,101.6 ; D125.B2 15.24,102.41 ; D125.B2 15.24,100.79 ; D125.B2 14.43,101.6 ; D127.A10 36.37,55.88 ; D127.A10 35.56,55.07 ; D127.A10 34.75,55.88 ; D127.A10 35.56,56.69 ; D431.B14 167.64,379.27 ; D431.B14 168.45,378.46 ; D431.B14 167.64,377.65 ; D431.B14 166.83,378.46 ; D231.A7 186.23,375.92 ; D231.A7 184.61,375.92 ; D231.A7 185.42,375.11 ; D231.A7 185.42,376.73 ; 344.63,393.7 D116.A2 ; D116.A2 345.44,394.51 ; D116.A2 346.25,393.7 ; D116.A2 345.44,392.89 ; 321.77,33.02 D104.A7 ; D104.A7 322.58,33.83 ; D104.A7 323.39,33.02 ; D104.A7 322.58,32.21 ; 317.5,77.93 D102.B5 ; D102.B5 318.31,78.74 ; D102.B5 316.69,78.74 ; D102.B5 317.5,79.55 ; 331.93,58.42 D103.B11 ; D103.B11 333.55,58.42 ; D103.B11 332.74,59.23 ; D103.B11 332.74,57.61 ; 319.33,66.04 D302.A6 ; D302.A6 320.75,66.04 ; D302.A6 320.04,66.75 ; D302.A6 320.04,65.33 ; DPS1.A05 391.97,13.97 ; DPS1.A05 390.35,13.97 ; DPS1.A05 391.16,13.16 ; DPS1.A05 391.16,14.78 ; D306.B1 381,69.29 ; D306.B1 380.29,68.58 ; D306.B1 381,67.87 ; D306.B1 381.71,68.58 ; D114.B6 335.28,348.79 ; D114.B6 335.28,347.17 ; D114.B6 334.47,347.98 ; D114.B6 336.09,347.98 ; 162.56,70.41 D318.B2 ; D318.B2 162.56,71.83 ; D318.B2 163.27,71.12 ; D318.B2 161.85,71.12 ; 329.49,91.44 D301.B10 ; D301.B10 330.2,92.15 ; D301.B10 330.91,91.44 ; D301.B10 330.2,90.73 ; 333.33,180.85 SITE4.G6 ; SITE4.G6 333.33,181.81 ; SITE4.G6 333.81,181.33 ; SITE4.G6 332.85,181.33 ; 386.08,52.53 D107.A3 ; D107.A3 385.27,53.34 ; D107.A3 386.89,53.34 ; D107.A3 386.08,54.15 ; 411.48,390.35 D112.B5 ; D112.B5 410.67,391.16 ; D112.B5 411.48,391.97 ; D112.B5 412.29,391.16 ; D111.A10 399.59,373.38 ; D111.A10 398.78,374.19 ; D111.A10 398.78,372.57 ; D111.A10 397.97,373.38 ; 322.58,52.53 D103.A7 ; D103.A7 321.77,53.34 ; D103.A7 322.58,54.15 ; D103.A7 323.39,53.34 ; D318.A3 165.81,63.5 ; D318.A3 165.1,62.79 ; D318.A3 165.1,64.21 ; D318.A3 164.39,63.5 ; 172.72,331.93 CSDPS229.B12 ; CSDPS229.B12 171.91,332.74 ; CSDPS229.B12 173.53,332.74 ; CSDPS229.B12 172.72,333.55 ; 118.57,76.2 D130.A14 ; D130.A14 119.38,77.01 ; D130.A14 120.19,76.2 ; D130.A14 119.38,75.39 ; D128.B3 18.59,38.1 ; D128.B3 17.78,37.29 ; D128.B3 16.97,38.1 ; D128.B3 17.78,38.91 ; D301.A16 345.44,87.07 ; D301.A16 345.44,85.65 ; D301.A16 346.15,86.36 ; D301.A16 344.73,86.36 ; SITE3.G3 250.33,181.81 ; SITE3.G3 249.85,181.33 ; SITE3.G3 250.81,181.33 ; SITE3.G3 